# KiCad board travis_erg2024-new4-hatch.kicad_pcb (continued)
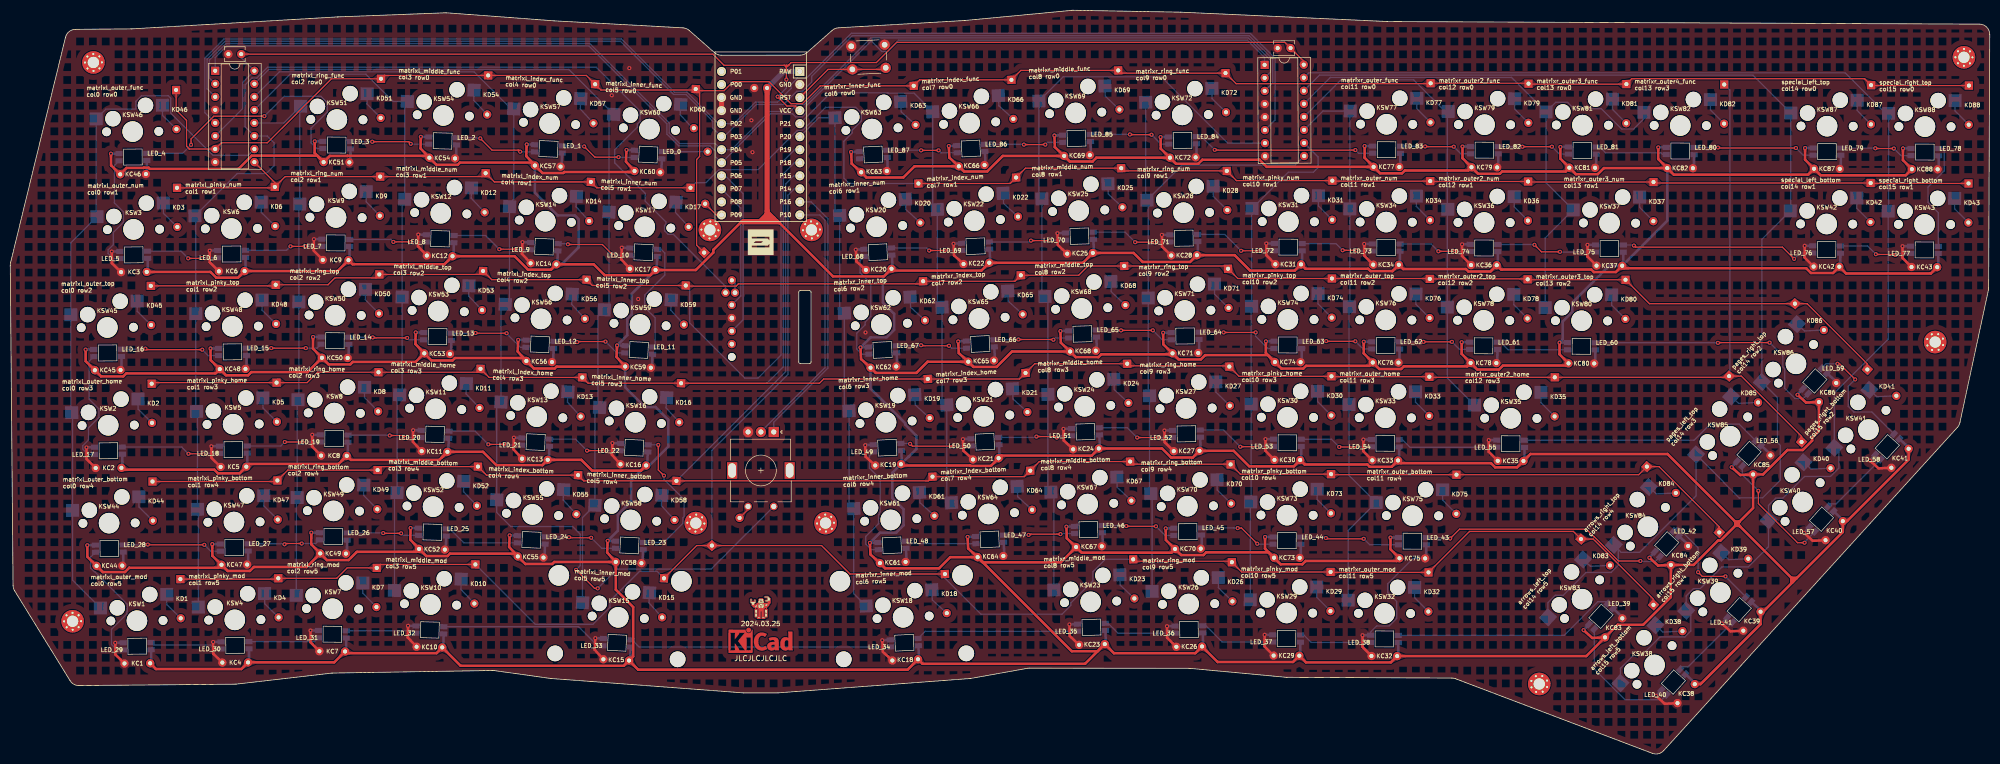
[diagram p0: board, top side]
## Routing (per net, layer and track width the routed paths; a pad name or vN(x,y) marks a point on that pad's centre or on a via; arc(x,y) is an arc through that point) (continued)
enc_to: length 2.9
  Top w0.25: ROT1.2 143.6,47.57 D2.2
encA: length 52.7
  Bottom w0.25: ROT1.A 148.6,64.56 159.14,75.1 159.14,104.18 155.87,107.45 MCU1.11
encC: length 51.7
  Bottom w0.25: MCU1.12 157.54,104.91 158.58,103.88 158.58,75.17 146.1,62.69 ROT1.C
LED: length 4.1
  Top w0.25: MCU1.24 137.42,104.91 R1.1
LED_0: length 8.8
  Bottom w0.25: R1.2 126.9,117.24 KLED60.4
LED_1: length 14.9
  Top w0.25: v1(118.39,116.17) 113.77,116.17 v1(111.69,118.25)
  Bottom w0.25: KLED60.2 118.46,116.1 v1(118.39,116.17) ; v1(111.69,118.25) 111.59,118.35 KLED57.4
LED_2: length 16.3
  Top w0.25: v1(99.24,117.24) 98.94,117.54 93.76,117.54 v1(91.47,119.83)
  Bottom w0.25: KLED54.4 90.84,119.95 90.96,119.83 v1(91.47,119.83) ; KLED57.2 99.29,117.19 v1(99.24,117.24)
LED_3: length 15.4
  Top w0.25: v1(70.44,119.17) 77.55,119.17 v1(77.96,118.76)
  Bottom w0.25: KLED54.2 78.02,118.69 v1(77.96,118.76) ; KLED51.4 70.41,119.19 v1(70.44,119.17)
LED_4: length 52.8
  Top w0.25: v1(49.46,124.14) 39.62,124.14 35.18,119.71 v1(35.18,118.56)
  Bottom w0.25: v1(35.18,118.56) 33.54,116.91 KLED46.4 ; KLED51.2 59.64,117.84 58.54,118.95 58.54,121.79 61.7,124.96 61.7,126.78 60.48,128.01 53.32,128.01 v1(49.46,124.14)
LED_5: length 23.1
  Bottom w0.25: KLED46.2 20.27,114.56 20.27,107.26 22.03,105.5 22.03,103.49 20.06,101.52 20.06,99.12 19.04,98.09 19.04,97.42 20.04,96.41 KLED3.4
LED_6: length 14.3
  Top w0.25: v1(34.63,96.46) 37.27,96.46 v1(37.32,96.51)
  Bottom w0.25: v1(34.63,96.46) 33.23,97.86 KLED3.2 ; v1(37.32,96.51) 37.39,96.58 KLED6.4
LED_7: length 15.2
  Top w0.25: v1(54.54,98.8) 57.38,98.8 v1(57.43,98.85)
  Bottom w0.25: v1(54.54,98.8) 53.77,98.03 KLED6.2 ; v1(57.43,98.85) 57.49,98.79 KLED9.4
LED_8: length 15.1
  Top w0.25: v1(74.55,99.66) v1(78.01,99.66)
  Bottom w0.25: v1(78.01,99.66) 78.02,99.65 KLED12.4 ; v1(74.55,99.66) 74.07,100.14 KLED9.2
LED_9: length 16
  Top w0.25: v1(95.18,98.24) v1(98.38,98.24)
  Bottom w0.25: KLED12.2 92.51,100.91 v1(95.18,98.24) ; KLED14.4 98.82,98.16 98.74,98.24 v1(98.38,98.24)
LED_10: length 14.9
  Top w0.25: v1(108.54,99.2) 108.59,99.15 115.25,99.15 v1(117.43,96.97)
  Bottom w0.25: v1(117.43,96.97) 117.54,97.07 KLED17.4 ; KLED14.2 108.42,99.32 v1(108.54,99.2)
LED_11: length 22.7
  Bottom w0.25: KLED17.2 126.68,98.21 127.39,97.51 127.39,93.2 123.48,89.3 123.48,86.9 125.51,84.88 125.51,79.62 KLED59.4
LED_12: length 14.8
  Top w0.25: v1(110.32,80.15) 110.42,80.25 v1(115.85,80.25)
  Bottom w0.25: KLED59.2 118.06,78.05 v1(115.85,80.25) ; KLED56.4 110.18,80.29 v1(110.32,80.15)
LED_13: length 15.7
  Top w0.25: v1(96.6,81.88) 90.61,81.88 v1(90.56,81.93)
  Bottom w0.25: KLED56.2 99.29,79.12 96.6,81.81 v1(96.6,81.88) ; KLED53.4 90.03,81.87 90.1,81.93 v1(90.56,81.93)
LED_14: length 14.7
  Top w0.25: v1(77.25,80.96) 70.64,80.96 v1(70.54,81.07)
  Bottom w0.25: KLED50.4 70.51,81.09 v1(70.54,81.07) ; KLED53.2 77.6,80.61 v1(77.25,80.96)
LED_15: length 14.9
  Top w0.25: v1(57.54,78.98) v1(50.78,78.98)
  Bottom w0.25: v1(50.78,78.98) 50.77,78.98 KLED48.4 ; v1(57.54,78.98) 59.73,78.98 KLED50.2
LED_16: length 19.5
  Top w0.25: v1(37.37,78.68) 26.5,78.68 v1(26.29,78.88)
  Bottom w0.25: v1(26.29,78.88) 25.84,78.88 25.72,78.76 KLED45.4 ; v1(37.37,78.68) 38.52,77.53 KLED48.2
LED_17: length 23.2
  Bottom w0.25: KLED45.2 15.34,76.41 15.34,69.06 17.25,67.15 17.25,65.49 15.22,63.46 15.22,61.1 14.11,59.99 14.11,59.32 15.16,58.27 KLED2.4
LED_18: length 19.6
  Top w0.25: v1(37.62,58.31) 37.52,58.41 v1(34.68,58.41)
  Bottom w0.25: KLED5.4 37.79,58.48 v1(37.62,58.31) ; KLED2.2 33.37,59.71 v1(34.68,58.41)
LED_19: length 14.5
  Top w0.25: v1(53.42,60.7) v1(56.88,60.7)
  Bottom w0.25: KLED8.4 57.28,60.69 57.28,60.7 v1(56.88,60.7) ; v1(53.42,60.7) 52.65,59.93 KLED5.2
LED_20: length 14.5
  Top w0.25: v1(73.84,61.97) 76.43,61.97 v1(76.89,61.51)
  Bottom w0.25: KLED8.2 73.76,62.05 v1(73.84,61.97) ; KLED11.4 76.95,61.56 v1(76.89,61.51)
LED_21: length 15.3
  Top w0.25: v1(96.14,60.29) 96.09,60.24 v1(93.05,60.24)
  Bottom w0.25: KLED11.2 90.46,62.82 v1(93.05,60.24) ; KLED13.4 96.34,60.09 v1(96.14,60.29)
LED_22: length 14.7
  Top w0.25: v1(115.4,58.97) 115.35,59.02 v1(112.25,59.02)
  Bottom w0.25: KLED13.2 110.01,61.26 v1(112.25,59.02) ; KLED16.4 115.45,59.02 v1(115.4,58.97)
LED_23: length 28.6
  Top w0.25: v1(126.12,60.14) 126.12,55.26 v1(127.23,54.14)
  Bottom w0.25: v1(127.23,54.14) 127.23,53.43 131.15,49.52 131.15,46.19 130.91,45.95 130.91,44.86 127.17,41.13 KLED58.4 ; v1(126.12,60.14) 126.1,60.16 KLED16.2
LED_24: length 14.5
  Top w0.25: v1(108.74,42.15) 108.84,42.05 v1(113.06,42.05)
  Bottom w0.25: v1(113.06,42.05) 115.12,39.99 KLED58.2 ; v1(108.74,42.15) 108.67,42.22 KLED55.4
LED_25: length 14.9
  Bottom w0.25: KLED52.4 85.56,43.78 88.27,41.06 KLED55.2
LED_26: length 14.1
  Top w0.25: v1(76.08,42.92) 72.62,42.92 v1(72.57,42.97)
  Bottom w0.25: KLED49.4 72.54,43 v1(72.57,42.97) ; KLED52.2 76.47,42.52 v1(76.08,42.92)
LED_27: length 14.3
  Top w0.25: v1(56.72,40.93) 53.52,40.93 v1(53.37,40.78)
  Bottom w0.25: v1(53.37,40.78) 53.28,40.88 KLED47.4 ; v1(56.72,40.93) 59.44,40.93 KLED49.2
LED_28: length 19.5
  Top w0.25: v1(26.75,40.73) 26.8,40.68 v1(37.78,40.68)
  Bottom w0.25: v1(26.75,40.73) 26.69,40.67 KLED44.4 ; v1(37.78,40.68) 39.03,39.43 KLED47.2
LED_29: length 25.4
  Bottom w0.25: KLED1.4 20.78,20.21 19.7,21.29 19.7,24.23 22.69,27.22 22.69,27.62 22.79,27.72 22.79,29.09 16.43,35.45 16.34,35.45 15.63,36.16 15.63,38.27 KLED44.2
LED_30: length 14.2
  Bottom w0.25: KLED1.2 27.89,21.17 39.05,21.17 39.84,20.38 KLED4.4
LED_31: length 13.9
  Bottom w0.25: KLED4.2 59.22,21.83 KLED7.4
LED_32: length 13.7
  Bottom w0.25: KLED7.2 78.48,23.95 KLED10.4
LED_33: length 32.5
  Bottom w0.25: KLED10.2 110.61,24.73 114.31,21.03 KLED15.4
LED_34: length 51.1
  Bottom w0.25: KLED18.4 122.4,20.78 121.01,22.17 KLED15.2
LED_35: length 31.6
  Bottom w0.25: KLED23.4 178.07,23.83 KLED18.2
LED_36: length 14.4
  Bottom w0.25: KLED23.2 213.68,25.39 215.61,23.46 KLED26.4
LED_37: length 14.9
  Bottom w0.25: KLED26.2 232.71,24.93 235.88,21.75 KLED29.4
LED_38: length 14.2
  Bottom w0.25: KLED32.4 253.2,21.67 251.74,23.13 KLED29.2
LED_39: length 43.6
  Bottom w0.25: KLED83.4 310.52,29.61 309,29.61 302.44,23.05 KLED32.2
LED_40: length 24.8
  Bottom w0.25: KLED38.4 321.46,10.53 314.26,10.53 308.3,16.49 KLED83.2
LED_41: length 14
  Bottom w0.25: KLED38.2 325.49,16.91 326.55,16.91 KLED39.4
LED_42: length 22.8
  Top w0.25: v1(328.5,35.35) 329.32,34.53 v1(333.84,34.53)
  Bottom w0.25: KLED39.2 333.84,34.49 v1(333.84,34.53) ; KLED84.4 324.36,43.98 324.64,43.98 328.5,40.11 v1(328.5,35.35)
LED_43: length 49.3
  Top w0.25: v1(317.28,37.53) 313,37.53 308.28,42.25 308.24,42.25 306.76,43.73 282.07,43.73 v1(280.24,41.9)
  Bottom w0.25: KLED75.4 279.51,42.07 279.68,41.9 v1(280.24,41.9) ; v1(317.28,37.53) 317.37,37.44 320.16,37.44 KLED84.2
LED_44: length 19.6
  Top w0.25: v1(263.43,41.85) 256.22,41.85 v1(256.06,42)
  Bottom w0.25: v1(256.06,42) 255.88,42.18 KLED73.4 ; KLED75.2 264.58,40.7 v1(263.43,41.85)
LED_45: length 15.2
  Top w0.25: v1(242.7,40.88) 239.65,43.93 v1(238.89,43.93)
  Bottom w0.25: KLED73.2 242.78,40.8 v1(242.7,40.88) ; v1(238.89,43.93) 238.18,43.93 238.14,43.98 KLED70.4
LED_46: length 14.7
  Top w0.25: v1(222.99,44.29) 217.25,44.29 v1(217.2,44.34)
  Bottom w0.25: v1(217.2,44.34) 217.1,44.44 KLED67.4 ; KLED70.2 224.77,42.51 v1(222.99,44.29)
LED_47: length 14
  Top w0.25: v1(198.2,42.61) 198.35,42.76 v1(204.4,42.76)
  Bottom w0.25: v1(198.2,42.61) 198.15,42.56 KLED64.4 ; v1(204.4,42.76) 204.51,42.87 KLED67.2
LED_48: length 13.9
  Bottom w0.25: KLED61.4 174.76,40.9 KLED64.2
LED_49: length 23.2
  Bottom w0.25: KLED61.2 167.6,39.74 166.5,40.84 166.5,42.31 169,44.8 169,46.5 169.14,46.65 169.14,46.93 169.31,47.1 169.31,53.51 167.23,55.6 167.23,57.97 KLED19.4
LED_50: length 13.9
  Top w0.25: v1(175.14,60.34) 175.6,59.88 v1(183.57,59.88)
  Bottom w0.25: v1(175.14,60.34) 175.05,60.42 KLED19.2 ; v1(183.57,59.88) 184.03,59.88 184.08,59.93 KLED21.4
LED_51: length 14.5
  Top w0.25: v1(199.73,61.76) 203.48,61.76 v1(203.69,61.56)
  Bottom w0.25: v1(199.73,61.76) 199.55,61.59 KLED21.2 ; KLED24.4 204.5,61.91 204.15,61.56 v1(203.69,61.56)
LED_52: length 15.1
  Top w0.25: v1(219.33,61.56) v1(223.4,61.56)
  Bottom w0.25: v1(223.4,61.56) 223.4,61.55 KLED27.4 ; v1(219.33,61.56) 217.42,63.48 211.94,63.48
LED_53: length 15.8
  Top w0.25: v1(239.4,59.78) 242.55,59.78 v1(242.7,59.63)
  Bottom w0.25: v1(239.4,59.78) 236.16,63.02 KLED27.2 ; KLED30.4 242.93,59.85 v1(242.7,59.63)
LED_54: length 14.3
  Top w0.25: v1(262.16,59.68) 262.11,59.73 v1(258.65,59.73)
  Bottom w0.25: v1(262.16,59.68) 262.25,59.77 KLED33.4 ; v1(258.65,59.73) 257.15,61.23 KLED30.2
LED_55: length 19.6
  Bottom w0.25: KLED33.2 270.96,61.15 272.44,59.66 KLED35.4
LED_56: length 47.6
  Bottom w0.25: KLED35.2 327.72,61.04 330.87,64.19 336.48,64.19 KLED85.4
LED_57: length 23.7
  Top w0.25: v1(349.23,41.09) 347.87,41.09 340.24,48.71 v1(340.24,51.2)
  Bottom w0.25: v1(349.23,41.09) 349.23,41.21 KLED40.4 ; v1(340.24,51.2) 337.12,54.31 KLED85.2
LED_58: length 14
  Bottom w0.25: KLED40.2 354.31,48.64 355.37,48.64 KLED41.4
LED_59: length 25.1
  Top w0.25: v1(359.09,72.89) 356.04,75.94 v1(355.63,75.94)
  Bottom w0.25: v1(359.09,72.89) 357.73,71.53 357.73,67.63 358.83,66.53 362.34,66.53 KLED41.2 ; KLED86.4 353.4,75.94 v1(355.63,75.94)
LED_60: length 49.8
  Top w0.25: v1(332.36,80) 332.42,80.05 v1(342.42,80.05)
  Bottom w0.25: KLED86.2 348.98,69.17 347.36,69.17 345.37,71.16 345.37,74.95 344.99,75.33 344.99,77.48 v1(342.42,80.05) ; v1(332.36,80) 331.86,80 331.83,80.03 KLED80.4
LED_61: length 14.2
  Bottom w0.25: KLED80.2 291.55,78.65 290.09,80.11 KLED78.4
LED_62: length 14.3
  Top w0.25: v1(280.6,80.2) v1(275.06,80.2)
  Bottom w0.25: v1(275.06,80.2) 275.06,80.2 KLED76.4 ; v1(280.6,80.2) 282.06,78.74 KLED78.2
LED_63: length 14.3
  Top w0.25: v1(256.11,80.35) 256.16,80.3 v1(261.8,80.3)
  Bottom w0.25: v1(256.11,80.35) 256.04,80.28 KLED74.4 ; v1(261.8,80.3) 263.29,78.82 KLED76.2
LED_64: length 16.4
  Top w0.25: v1(242.4,82.03) v1(236.15,82.03)
  Bottom w0.25: v1(236.15,82.03) 235.69,82.03 235.65,82.07 KLED71.4 ; KLED74.2 244.76,78.9 242.4,81.27 v1(242.4,82.03)
LED_65: length 15.4
  Top w0.25: v1(222.38,82.44) v1(216.18,82.44)
  Bottom w0.25: v1(216.18,82.44) 216.1,82.52 KLED68.4 ; KLED71.2 224.22,80.6 v1(222.38,82.44)
LED_66: length 14.7
  Top w0.25: v1(196.22,80.66) 202.98,80.66 v1(203.03,80.61)
  Bottom w0.25: KLED68.2 203.37,80.95 v1(203.03,80.61) ; KLED65.4 196.18,80.62 v1(196.22,80.66)
LED_67: length 14
  Top w0.25: v1(177.27,79.54) 177.37,79.44 v1(182.71,79.44)
  Bottom w0.25: KLED65.2 183.19,78.96 v1(182.71,79.44) ; KLED62.4 177.18,79.45 v1(177.27,79.54)
LED_68: length 23.1
  Bottom w0.25: KLED62.2 165.76,77.79 164.76,78.8 164.76,81.89 166.39,83.52 166.39,84.06 167.49,85.16 167.49,91.56 165.4,93.65 165.4,96.02 KLED20.4
LED_69: length 13.9
  Top w0.25: v1(178.85,97.98) 181.84,97.98 v1(181.89,98.03)
  Bottom w0.25: KLED20.2 178.35,98.48 v1(178.85,97.98) ; v1(181.89,98.03) 181.94,97.99 KLED22.4
LED_70: length 15
  Top w0.25: v1(202.37,99.96) 202.32,99.91 v1(198.66,99.91)
  Bottom w0.25: v1(202.37,99.96) 202.4,99.99 KLED25.4 ; KLED22.2 198.39,99.64 v1(198.66,99.91)
LED_71: length 15.8
  Top w0.25: v1(222.79,99.56) 222.74,99.61 v1(218.93,99.61)
  Bottom w0.25: v1(222.79,99.56) 222.88,99.65 KLED28.4 ; KLED25.2 216.98,101.56 v1(218.93,99.61)
LED_72: length 16.3
  Top w0.25: v1(239.55,97.93) 243.06,97.93 v1(243.11,97.88)
  Bottom w0.25: KLED28.2 236.36,101.12 v1(239.55,97.93) ; KLED31.4 243.18,97.95 v1(243.11,97.88)
LED_73: length 14.2
  Top w0.25: v1(262.01,97.98) 261.96,98.03 v1(259.31,98.03)
  Bottom w0.25: v1(259.31,98.03) 258.02,99.33 KLED31.2 ; v1(262.01,97.98) 262.51,97.98 262.63,97.87 KLED34.4
LED_74: length 14.2
  Top w0.25: v1(277.96,97.83) v1(281.21,97.83)
  Bottom w0.25: KLED34.2 276.54,99.25 v1(277.96,97.83) ; v1(281.21,97.83) 281.25,97.79 KLED36.4
LED_75: length 19.6
  Top w0.25: v1(301.63,97.73) 298.02,97.73 v1(296.65,99.1)
  Bottom w0.25: KLED36.2 296.59,99.16 v1(296.65,99.1) ; v1(301.63,97.73) 301.68,97.68 KLED37.4
LED_76: length 38.4
  Top w0.25: v1(347.2,96.36) 344.91,98.64 316.31,98.64 v1(316.01,98.95)
  Bottom w0.25: v1(347.2,96.36) 348.34,97.5 KLED42.4 ; v1(316.01,98.95) 315.9,99.06 KLED37.2
LED_77: length 14.5
  Top w0.25: v1(363.1,97.27) 363.15,97.22 366.81,97.22 v1(366.91,97.12)
  Bottom w0.25: v1(366.91,97.12) 367.2,97.41 KLED43.4 ; KLED42.2 361.5,98.87 v1(363.1,97.27)
LED_78: length 22
  Bottom w0.25: KLED88.4 376.04,117.84 376.41,117.47 376.41,113.49 373.26,110.34 373.26,107.36 375.26,105.36 KLED43.2
LED_79: length 14.2
  Top w0.25: v1(366.6,117.85) 363.05,117.85 v1(363,117.9)
  Bottom w0.25: v1(363,117.9) 362.97,117.92 KLED87.4 ; v1(366.6,117.85) 367.99,116.46 KLED88.2
LED_80: length 23.8
  Top w0.25: v1(332.36,118.05) 332.47,117.95 v1(347.55,117.95)
  Bottom w0.25: KLED82.4 332.36,118.05 v1(332.36,118.05) ; KLED87.2 348.95,116.55 v1(347.55,117.95)
LED_81: length 14.2
  Bottom w0.25: KLED81.4 309.37,118.13 310.5,117 321.28,117 321.61,116.67 KLED82.2
LED_82: length 14.2
  Top w0.25: v1(300.06,118.2) v1(294.32,118.2)
  Bottom w0.25: KLED79.4 294.3,118.21 v1(294.32,118.2) ; v1(300.06,118.2) 301.5,116.75 KLED81.2
LED_83: length 14.2
  Top w0.25: v1(280.95,118.2) 275.42,118.2 v1(275.37,118.25)
  Bottom w0.25: KLED77.4 275.32,118.3 v1(275.37,118.25) ; KLED79.2 282.32,116.84 v1(280.95,118.2)
LED_84: length 35.7
  Top w0.25: v1(261.8,117.54) 234.47,117.54 v1(234.42,117.59)
  Bottom w0.25: v1(261.8,117.54) 262.42,116.92 KLED77.2 ; v1(234.42,117.59) 231.84,120.17 KLED72.4
LED_85: length 16.1
  Top w0.25: v1(222.13,120.54) 217.96,120.54 v1(217.91,120.59)
  Bottom w0.25: KLED72.2 223.97,118.7 v1(222.13,120.54) ; KLED69.4 217.9,120.6 v1(217.91,120.59)
LED_86: length 15.4
  Top w0.25: v1(201.45,118.61) v1(197.29,118.61)
  Bottom w0.25: KLED66.4 197.07,118.67 197.13,118.61 v1(197.29,118.61) ; v1(201.45,118.61) 201.88,119.04 KLED69.2
LED_87: length 13.9
  Top w0.25: v1(180.68,117.49) v1(177.27,117.49)
  Bottom w0.25: v1(180.68,117.49) 181.15,117.01 KLED66.2 ; KLED63.4 176.8,117.51 176.81,117.49 v1(177.27,117.49)
matrixl_index_bottom: length 5.8
  Bottom w0.25: KSW55.2 107.61,49.43 KD55.2
matrixl_index_func: length 5.8
  Bottom w0.25: KSW57.2 110.94,125.56 KD57.2
matrixl_index_home: length 5.8
  Bottom w0.25: KD13.2 108.44,68.46 KSW13.2
matrixl_index_num: length 5.8
  Bottom w0.25: KSW14.2 110.11,106.52 KD14.2
matrixl_index_top: length 5.8
  Bottom w0.25: KD56.2 109.28,87.49 KSW56.2
matrixl_inner_bottom: length 5.8
  Bottom w0.25: KSW58.2 126.73,48.32 KD58.2
matrixl_inner_func: length 5.8
  Bottom w0.25: KSW60.2 130.39,124.43 132.94,121.62
matrixl_inner_home: length 5.8
  Bottom w0.25: KD16.2 127.64,67.35 KSW16.2
matrixl_inner_mod: length 5.8
  Bottom w0.25: 124.41,31.35 124.32,29.36 KD15.2
matrixl_inner_num: length 5.8
  Bottom w0.25: KD17.2 129.47,105.4 KSW17.2
matrixl_inner_top: length 5.8
  Bottom w0.25: KSW59.2 128.56,86.37 KD59.2
matrixl_middle_bottom: length 5.8
  Bottom w0.25: KD52.2 88.21,51.04 KSW52.2
matrixl_middle_func: length 5.8
  Bottom w0.25: KSW54.2 90.21,127.22 KD54.2
matrixl_middle_home: length 5.8
  Bottom w0.25: KD11.2 88.71,70.09 KSW11.2
matrixl_middle_mod: length 5.8
  Bottom w0.25: 87.77,33.99 87.71,32 KD10.2
matrixl_middle_num: length 5.8
  Bottom w0.25: KD12.2 89.71,108.17 KSW12.2
matrixl_middle_top: length 5.8
  Bottom w0.25: KD53.2 89.21,89.13 89.26,91.12
matrixl_outer_bottom: length 5.8
  Bottom w0.25: KD44.2 25.04,48.04 KSW44.2
matrixl_outer_func: length 5.8
  Bottom w0.25: KD46.2 29.64,124.28 KSW46.2
matrixl_outer_home: length 5.8
  Bottom w0.25: KD2.2 24.87,67.09 KSW2.2
matrixl_outer_mod: length 5.8
  Bottom w0.25: KSW1.2 30.47,29.04 KD1.2
matrixl_outer_num: length 5.8
  Bottom w0.25: KSW3.2 29.8,105.23 KD3.2
matrixl_outer_top: length 5.8
  Bottom w0.25: KSW45.2 24.71,86.14 KD45.2
matrixl_pinky_bottom: length 5.8
  Bottom w0.25: KSW47.2 49.35,48.25 KD47.2
matrixl_pinky_home: length 5.8
  Bottom w0.25: KD5.2 49.19,67.3 KSW5.2
matrixl_pinky_mod: length 5.8
  Bottom w0.25: KD4.2 49.52,29.2 KSW4.2
matrixl_pinky_num: length 5.8
  Bottom w0.25: KSW6.2 48.85,105.4 KD6.2
matrixl_pinky_top: length 5.8
  Bottom w0.25: KD48.2 49.02,86.35 KSW48.2
matrixl_ring_bottom: length 5.8
  Bottom w0.25: KD49.2 68.77,50.32 KSW49.2
matrixl_ring_func: length 5.8
  Bottom w0.25: KD51.2 69.44,126.51 KSW51.2
matrixl_ring_home: length 5.8
  Bottom w0.25: KSW8.2 68.94,69.37 KD8.2
matrixl_ring_mod: length 5.8
  Bottom w0.25: KD7.2 68.6,31.27 KSW7.2
matrixl_ring_num: length 5.8
  Bottom w0.25: KD9.2 69.27,107.46 KSW9.2
matrixl_ring_top: length 5.8
  Bottom w0.25: KD50.2 69.1,88.42 KSW50.2
matrixr_index_bottom: length 5.8
  Bottom w0.25: KSW64.2 196.07,50.05 KD64.2
matrixr_index_func: length 5.8
  Bottom w0.25: KD66.2 192.41,126.16 KSW66.2
matrixr_index_home: length 5.8
  Bottom w0.25: KD21.2 195.16,69.08 KSW21.2
matrixr_index_num: length 5.8
  Bottom w0.25: KSW22.2 193.33,107.13 KD22.2
matrixr_index_top: length 5.8
  Bottom w0.25: KSW65.2 194.24,88.11 KD65.2
matrixr_inner_bottom: length 5.8
  Bottom w0.25: KSW61.2 177.05,48.89 KD61.2
matrixr_inner_func: length 5.8
  Bottom w0.25: KD63.2 173.4,125 KSW63.2
matrixr_inner_home: length 5.8
  Bottom w0.25: KSW19.2 176.14,67.91 KD19.2
matrixr_inner_mod: length 5.8
  Bottom w0.25: KD18.2 179.47,29.93 KSW18.2
matrixr_inner_num: length 5.8
  Bottom w0.25: KD20.2 174.31,105.97 KSW20.2
matrixr_inner_top: length 5.8
  Bottom w0.25: KSW62.2 175.23,86.94 KD62.2
matrixr_middle_bottom: length 5.8
  Bottom w0.25: KD67.2 215.44,51.88 KSW67.2
matrixr_middle_func: length 5.8
  Bottom w0.25: KSW69.2 213.11,128.04 KD69.2
matrixr_middle_home: length 5.8
  Bottom w0.25: KSW24.2 214.86,70.92 KD24.2
matrixr_middle_mod: length 5.8
  Bottom w0.25: KD23.2 216.02,32.84 KSW23.2
matrixr_middle_num: length 5.8
  Bottom w0.25: KD25.2 213.69,109 KSW25.2
matrixr_middle_top: length 5.8
  Bottom w0.25: KSW68.2 214.28,89.96 KD68.2
matrixr_outer2_func: length 5.8
  Bottom w0.25: KD79.2 292.79,125.55 KSW79.2
matrixr_outer2_home: length 5.8
  Bottom w0.25: KD35.2 297.91,68.37 KSW35.2
matrixr_outer2_num: length 5.8
  Bottom w0.25: KD36.2 292.71,106.5 KSW36.2
matrixr_outer2_top: length 5.8
  Bottom w0.25: KSW78.2 292.63,87.45 KD78.2
matrixr_outer3_func: length 5.8
  Bottom w0.25: KD81.2 311.84,125.46 KSW81.2
matrixr_outer3_num: length 5.8
  Bottom w0.25: KSW37.2 317.12,106.39 KD37.2
matrixr_outer3_top: length 5.8
  Bottom w0.25: KD80.2 311.68,87.36 KSW80.2
matrixr_outer4_func: length 5.8
  Bottom w0.25: KD82.2 330.89,125.38 KSW82.2
matrixr_outer_bottom: length 5.8
  Bottom w0.25: KSW75.2 278.77,49.41 281.45,46.71
matrixr_outer_func: length 5.8
  Bottom w0.25: KD77.2 273.74,125.63 KSW77.2
matrixr_outer_home: length 5.8
  Bottom w0.25: KSW33.2 273.49,68.48 KD33.2
matrixr_outer_mod: length 5.8
  Bottom w0.25: KSW32.2 273.33,30.38 KD32.2
matrixr_outer_num: length 5.8
  Bottom w0.25: KSW34.2 273.66,106.58 KD34.2
matrixr_outer_top: length 5.8
  Bottom w0.25: KSW76.2 273.58,87.53 KD76.2
matrixr_pinky_bottom: length 5.8
  Bottom w0.25: KD73.2 254.36,49.51 KSW73.2
matrixr_pinky_home: length 5.8
  Bottom w0.25: KD30.2 254.44,68.56 KSW30.2
matrixr_pinky_mod: length 5.8
  Bottom w0.25: KSW29.2 254.28,30.46 KD29.2
matrixr_pinky_num: length 5.8
  Bottom w0.25: KSW31.2 254.61,106.66 KD31.2
matrixr_pinky_top: length 5.8
  Bottom w0.25: KSW74.2 254.53,87.61 257.2,84.92
matrixr_ring_bottom: length 5.8
  Bottom w0.25: KSW70.2 234.9,51.37 KD70.2
matrixr_ring_func: length 5.8
  Bottom w0.25: KD72.2 233.9,127.56 KSW72.2
matrixr_ring_home: length 5.8
  Bottom w0.25: KSW27.2 234.65,70.41 KD27.2
matrixr_ring_mod: length 5.8
  Bottom w0.25: KSW26.2 235.15,32.32 KD26.2
matrixr_ring_num: length 5.8
  Bottom w0.25: KSW28.2 234.15,108.51 KD28.2
matrixr_ring_top: length 5.8
  Bottom w0.25: KSW71.2 234.4,89.46 KD71.2
mux0: length 234.9
  Bottom w0.25: DIP2.1 244.14,135.56 240.76,138.93 172.92,138.93 170.72,136.73 169.63,136.73 167.71,138.65 167.71,138.93 154.88,126.1 154.88,124.73 154.17,124.03 152.84,124.03 152.27,124.6 147.97,124.6 MCU1.20 137.24,116.26 137.24,117.32 136.2,118.36 130.09,118.36 127.8,120.66 127.8,122.64 112.61,137.83 42.17,137.83 39.89,135.55 DIP1.1
mux1: length 237.4
  Bottom w0.25: DIP1.2 38.76,131.57 38.76,135.06 41.98,138.28 112.79,138.28 128.25,122.82 128.25,120.84 130.28,118.81 137.23,118.81 MCU1.19 140.34,117.61 147.78,125.05 151.8,125.05 153.18,126.43 154.57,126.43 167.52,139.38 240.95,139.38 245.27,135.07 245.27,132.71 DIP2.2
mux2: length 242.9
  Bottom w0.25: DIP2.3 245.72,130.61 245.72,135.25 241.14,139.83 163.9,139.83 155.98,131.91 155.98,130.77 154.17,128.97 153.04,128.97 151.19,127.12 150.5,126.43 145.22,126.43 138.94,120.15 MCU1.18 136.73,121.85 136.73,123.15 131.52,128.36 129.12,128.36 118.75,138.73 41.8,138.73 38.31,135.25 38.31,129.48 DIP1.3
mux3: length 254.7
  Bottom w0.25: DIP2.6 246.17,123.41 246.17,135.44 241.32,140.28 163.71,140.28 154.94,131.51 153.18,131.51 152,130.33 152,129.55 149.32,126.88 145.03,126.88 140.84,122.69 MCU1.17 137.83,122.69 131.71,128.81 129.3,128.81 118.93,139.18 41.61,139.18 37.86,135.43 37.86,124.85 DIP1.5
pages_left_bottom: length 5.8
  Bottom w0.25: KD40.2 350.49,55.41 KSW40.2
pages_left_top: length 5.8
  Bottom w0.25: KD85.2 336.39,68.22 KSW85.2
pages_right_bottom: length 5.8
  Bottom w0.25: KSW41.2 363.3,69.51 KD41.2
pages_right_top: length 5.8
  Bottom w0.25: KD86.2 349.2,82.32 KSW86.2
RAW: length 2611.3
  Top w0.5: KC85.1 336.71,54.27 v1(335.04,55.79) ; KC85.1 339.21,47.85 336.57,45.21 ; KC85.1 341.15,54.39 345.89,59.14 348.88,59.14 350.7,60.96 350.7,61.51 352.02,62.82 KC86.1 349.52,68.37 v1(347.85,69.89) ; KC69.1 206.22,115.31 210.64,115.31 211.4,116.07 225.71,116.07 KC72.1 ; KC69.1 203.3,118.12 v1(203.23,120.38) ; KC69.1 193.17,116.4 190.14,113.38 185.64,113.38 KC66.1 ; KC72.1 223.92,117.81 v1(223.89,120.07) ; KC72.1 226.9,114.88 231.23,114.88 232.01,115.66 243.14,115.66 244.52,114.28 KC77.1 ; KC68.1 194.97,78.32 191.97,75.32 187.47,75.32 KC65.1 ; KC68.1 207.38,77.22 211.8,77.22 212.34,77.76 226.01,77.76 KC71.1 ; KC68.1 204.47,80.03 v1(204.4,82.3) ; 336.57,45.21 335.73,44.37 ; 336.57,45.21 336.42,45.06 336.42,44.5 336.68,44.24 ; 336.57,45.21 335.83,45.21 335.73,45.12 ; 335.73,44.37 335.73,45.12 ; 335.73,44.37 332.87,41.51 332.39,41.51 327.64,36.76 KC84.1 ; 335.73,44.37 336.55,44.37 336.68,44.24 ; KC23.1 211.63,19.95 206.61,19.95 KC64.1 ; KC23.1 214.81,19.57 230.64,19.57 KC26.1 234.98,17.86 249.66,17.86 KC29.1 252.2,17.78 268.71,17.78 KC32.1 306.74,19.01 KC83.1 ; KC23.1 209.2,17.52 177.55,17.52 KC18.1 174.64,16.36 122.22,16.36 KC15.1 ; KC84.1 323.2,30.5 317.81,25.11 312.84,25.11 KC83.1 ; KC84.1 320.7,36.64 v1(319.03,38.17) ; KC71.1 227.39,76.78 231.73,76.78 232.56,77.61 244.79,77.61 KC74.1 ; KC71.1 224.42,79.71 v1(224.39,81.97) ; KC65.1 184.61,78.01 v1(184.5,80.27) ; KC65.1 178.53,76.33 176.36,74.16 168.45,74.16 KC62.1 165.59,76.85 v1(165.48,79.11) ; KC73.1 247.24,36.89 251.49,36.89 252.13,37.53 269.86,37.53 KC75.1 268.62,39.83 v1(268.63,42.1) ; KC73.1 244.93,39.21 232.75,39.21 232.23,38.68 227.89,38.68 KC70.1 ; KC73.1 244.21,39.94 v1(244.22,42.2) ; KC78.1 282.48,77.87 v1(282.49,80.14) ; KC78.1 285.51,74.82 289.75,74.82 290.51,75.58 302.85,75.58 KC80.1 301.53,77.79 v1(301.54,80.05) ; KC78.1 283.57,75.43 271.22,75.43 270.7,74.91 266.46,74.91 KC76.1 ; 346.66,34.25 347.68,34.25 347.72,34.22 ; 346.66,34.25 346.66,33.44 346.8,33.3 ; 346.66,34.25 347.13,33.79 347.13,33.63 ; 346.66,34.25 336.68,44.24 ; v1(368.38,117.86) 368.37,115.6 KC88.1 368.94,112.63 352.35,112.63 KC87.1 ; KC77.1 266.62,113.01 270.87,113.01 271.44,113.58 283.78,113.58 KC79.1 ; KC77.1 263.59,116.05 v1(263.6,118.32) ; KC82.1 320.74,115.8 v1(320.75,118.07) ; KC82.1 323.77,112.76 349.93,112.76 KC87.1 ; KC82.1 322.5,114.04 310.16,114.04 308.97,112.84 304.72,112.84 KC81.1 ; KC51.1 60.99,115.21 59.76,116.45 46.99,116.45 44.42,113.88 27.15,113.88 26.91,114.12 26,114.12 25.95,114.07 22.64,114.07 KC46.1 19.61,114.57 v1(19.59,116.84) ; KC51.1 59.24,116.98 v1(59.26,119.25) ; KC51.1 62.2,116.4 65.61,116.4 65.63,116.42 81.2,116.42 KC54.1 ; 149.49,103.59 149.76,103.32 ; 149.49,103.59 149.22,103.86 ; 149.49,103.59 142.31,103.59 ; 149.76,103.32 160.13,92.95 170.03,92.95 KC20.1 171.88,94.07 189.01,94.07 KC22.1 208.79,95.6 KC25.1 218.63,97.51 220.38,95.76 229.64,95.76 KC28.1 238.3,97.08 241.32,94.06 249.99,94.06 KC31.1 252.08,94.43 264.3,94.43 264.75,93.98 269.04,93.98 KC34.1 271.1,94.38 283.32,94.38 283.8,93.9 288.09,93.9 KC36.1 290.17,94.27 307.73,94.27 308.21,93.79 312.5,93.79 KC37.1 314.22,94.53 349.55,94.53 350.48,93.61 354.77,93.61 KC42.1 357.3,93.52 373.81,93.52 KC43.1 ; 149.76,103.32 142.58,103.32 142.31,103.59 ; KC11.1 83.95,57.67 ; KC11.1 83.49,57.21 66.3,57.21 KC8.1 64.89,57.4 ; KC11.1 92.01,58.79 94.6,56.2 103.58,56.2 KC13.1 111.14,57.23 113.25,55.12 122.75,55.12 KC16.1 ; KC49.1 57.69,36.36 47.4,36.36 46.63,35.59 42.32,35.59 KC47.1 ; KC49.1 61.62,37.71 65.85,37.71 67.45,39.31 79.01,39.31 KC52.1 ; KC49.1 58.58,40.78 v1(58.6,43.05) ; KC41.1 369.48,57.28 357.49,45.28 KC40.1 356.67,43.17 347.72,34.22 ; 346.8,33.3 347.13,33.63 ; 346.8,33.3 341.15,27.66 KC39.1 340.66,25.23 328.99,13.55 KC38.1 ; v1(167.31,41.05) 167.42,38.79 KC61.1 170.28,36.1 180.77,36.1 182.94,38.28 KC64.1 ; 142.31,103.59 142.58,103.86 147.87,103.86 ; 142.31,103.59 136.82,98.11 136.82,97.57 133.44,94.19 KC17.1 124.58,93.18 115.68,93.18 113.57,95.29 KC14.1 105.24,94.26 100.76,94.26 98.14,96.88 KC12.1 84.5,95.31 66.63,95.31 KC9.1 63.71,93.98 KC6.1 44.32,92.69 40.09,92.69 38.97,93.82 26.56,93.82 KC3.1 ; KC2.1 21.99,55.31 39.71,55.31 40.43,54.59 44.65,54.59 KC5.1 46.49,56.43 63.92,56.43 64.89,57.4 ; KC1.1 28.35,16.49 44.98,16.49 KC4.1 63.04,17.79 KC7.1 65.49,19.58 82.96,19.58 KC10.1 87.64,17.14 119.42,17.14 KC15.1 ; KC52.1 77.86,41.69 v1(77.92,43.95) ; KC52.1 80.96,38.5 85.09,38.5 85.55,38.95 98.24,38.95 KC55.1 ; KC66.1 176,114.39 173.82,112.21 166.63,112.21 KC63.1 163.76,114.9 v1(163.65,117.17) ; KC66.1 182.78,116.07 v1(182.67,118.33) ; 149.22,103.86 149.19,103.86 148.67,104.38 ; 149.22,103.86 147.87,103.86 ; KC15.1 121.23,18.95 121.23,28.56 117.85,31.94 KC58.1 ; KC54.1 79.85,117.86 v1(79.91,120.13) ; KC54.1 82.95,114.67 87.09,114.67 87.52,115.1 101.55,115.1 KC57.1 ; KC70.1 224.92,41.61 v1(224.89,43.88) ; KC70.1 225.98,39.14 208.55,39.14 KC67.1 ; 147.87,103.86 148.14,103.86 148.67,104.38 ; v1(205.56,44.22) 205.63,41.95 KC67.1 ; KC87.1 349.32,115.68 v1(349.33,117.95) ; KC81.1 301.69,115.89 v1(301.7,118.15) ; KC81.1 302.71,113.37 290.37,113.37 289.92,112.92 285.67,112.92 KC79.1 ; 64.89,57.4 65.16,57.67 ; KC56.1 101.91,75.01 105.96,75.01 106.32,75.38 119.66,75.38 KC59.1 118,77.25 v1(118.11,79.51) ; KC56.1 99.87,77.05 86.56,77.05 86.09,76.58 81.95,76.58 KC53.1 ; KC56.1 98.76,78.32 v1(98.85,80.58) ; KC47.1 40.53,36.21 23.15,36.21 22.32,35.37 18.01,35.37 KC44.1 15.02,38.33 v1(15,40.6) ; KC47.1 39.33,38.54 v1(39.31,40.81) ; KC67.1 204.48,37.27 189.29,37.27 KC64.1 ; v1(14.66,78.7) 14.68,76.43 KC45.1 17.67,73.47 21.98,73.47 22.57,74.06 39.94,74.06 KC48.1 ; 347.72,34.22 347.13,33.63 ; v1(38.98,78.91) 39,76.64 KC48.1 ; KC48.1 41.98,73.68 46.3,73.68 46.92,74.31 57.87,74.31 KC50.1 ; KC58.1 116.17,39.19 v1(116.28,41.46) ; KC58.1 105.86,37.34 105.47,36.95 100.25,36.95 KC55.1 ; v1(282.65,118.24) 282.64,115.97 KC79.1 ; KC64.1 186.43,39.96 v1(186.33,42.22) ; KC50.1 61.96,75.81 66.18,75.81 66.66,76.29 78.9,76.29 KC53.1 ; KC50.1 58.91,78.88 v1(58.93,81.15) ; 148.67,104.38 147.31,105.74 ; KC55.1 97.09,40.26 v1(97.19,42.52) ; KC74.1 247.41,74.99 251.65,74.99 252.19,75.53 264.54,75.53 KC76.1 ; KC74.1 244.38,78.04 v1(244.39,80.3) ; 335.73,45.12 335.77,45.15 ; KC57.1 103.57,113.07 107.62,113.07 107.82,113.27 121.33,113.27 KC60.1 119.83,115.3 v1(119.94,117.57) ; KC57.1 100.42,116.38 v1(100.52,118.65) ; 335.77,45.15 336.68,44.24 ; 335.77,45.15 322.56,58.36 295.87,58.36 KC35.1 293.29,55.77 289,55.77 288.19,56.58 270.63,56.58 KC33.1 268.87,55.88 264.59,55.88 264.14,56.33 251.92,56.33 KC30.1 249.82,55.96 241.14,55.96 238.12,58.98 KC27.1 230.14,57.67 225.94,57.67 224.18,59.43 KC24.1 210.46,58.03 206.35,58.03 206.33,58.05 192.87,58.05 KC21.1 190.87,56.05 186.85,56.05 186.78,56.12 173.6,56.12 KC19.1 ; KC53.1 78.85,79.78 v1(78.91,82.04) ; KC76.1 263.43,77.95 v1(263.44,80.22) ; KC83.1 307.9,22.54 v1(306.22,24.07)